# Altium PCB PCB.PcbDoc (part 4 of 10) (continued)
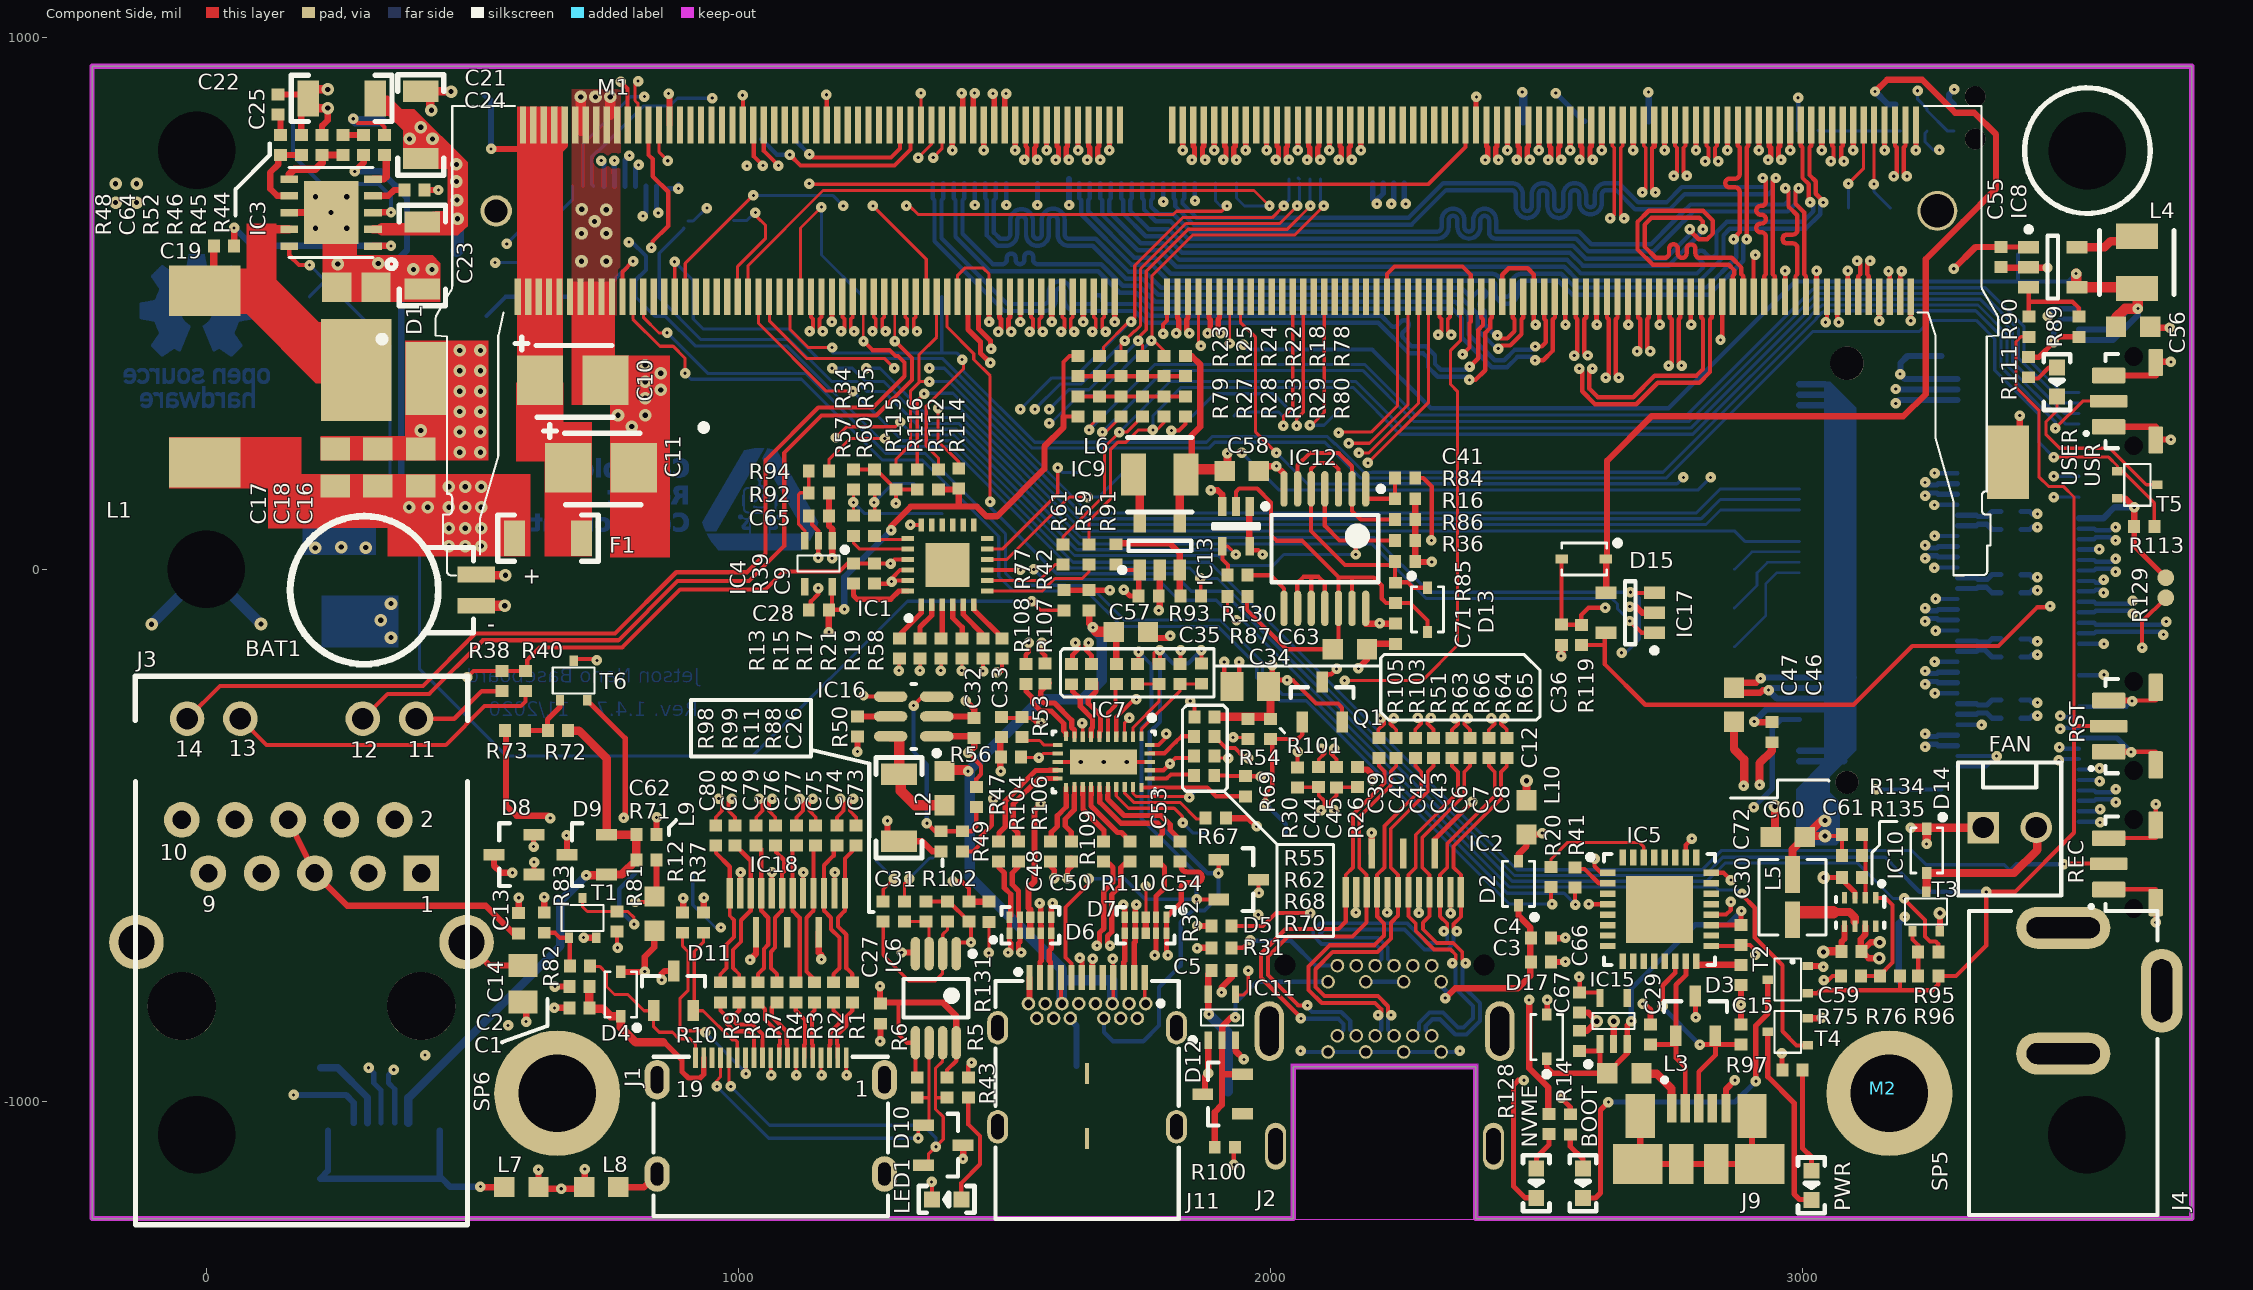
[diagram p0: Component Side view]
## Nets (pads, with @x,y where several pads share a name; then routed paths per layer and width w, separated by ;. In a path a pad name is that pad's centre, name@x,y a point inside that pad or via, vN(x,y) a via of type N, cw(c..) or ccw(c..) an arc to the next point about the centre after c; other vN are vias at no path point) (continued)
  Solder Side w8.66: J6.9@1444.3,725.63 1444.3,691.46 v1@1444.56,691.21 ; J6.12@1503.35,725.63 1503.35,689.03 v1@1503.78,688.61 ; v1@1562.18,690.06 1562.41,690.29 J6.15@1562.41,725.63 ; J6.27@1798.63,725.63 1798.63,691.46 v1(1798.89,691.21) ; v1@1857.68,691.46 J6.30@1857.68,725.63 ; J7.27@3519.48,37.29 v1@3557.16,37.29
  Solder Side w9.84: J10.10@868.81,715.6 v1(887.46,715.6) v1@887.46,723.18 ; J7.9@3519.48,-317.04 3591.31,-317.04 v1(3617.65,-343.38)
  Solder Side w11.81: v1(164.4,-987.71) 262.82,-987.71 277.57,-1002.46 J5.5@277.57,-1040.35 ; J6.18@1621.46,733.51 1621.46,684.92 v1(1621.58,684.81) ; v1(2710.33,897) 2711.33,896 TP44.1@2711.33,842.01 ; v1(3175.33,312) 3181.71,318.39 J8.71@3291.26,318.39 ; v1(3175.33,339) 3176.26,338.07 J8.73@3291.26,338.07 ; J8.SH2@3260.75,401.06 3197.39,401.06 3184.33,388 3184.33,368 v1(3183.33,367) 3192.57,357.76 J8.75@3291.26,357.76 ; TP30.5@3284.18,873.88 3275.31,882.75 3275.31,892.27 v1(3285.12,902.09) ; J7.30@3519.48,96.34 3565.67,96.34 3586.23,116.9 v1(3623.43,116.9)
  Solder Side w19.68: v2(-102.67,-103) -102.67,-102.67 SP7.1@0,0 102.67,-102.67 v2(103,-102.67) ; v1(276.33,847) 281.33,842 TP17.1@330.33,842 TP17.1@325.33,847
  other v1: 2699.44,-816.46 1765.33,-595 1493.21,-379.42 1958.04,-354.52 3364.87,-350.75 3336.71,-292.12 3248.33,-173.22 1811.68,-124.98 3250.1,-115.41 1288.21,-22.83 3248.09,2.7 3557.83,37.96 2302.59,54.41 3248.33,181.11 1923.97,424.53 2554.62,460.03 2672.73,460.03 2731.79,460.03 2790.84,460.03 1175.89,465 1471.49,465.04 1648.33,465 1707.38,465 3026.38,561.34 3085.44,561.34 2911.44,590.95 1444.56,684.81 1503.78,684.81 1562.18,684.81 1858.33,693 1402.27,787.84 1579.43,787.84 1697.54,787.84 1835.34,787.84 1953.45,787.84 2110.93,787.84 2504.63,787.84 2622.74,787.84 2740.85,787.84 2858.96,787.84 3036.13,787.84 3154.23,787.84 1008.08,891.08
  other v2: 561.02,-68.19 476.33,220 515.33,220 476.33,258.31 515.33,258.31 403.33,261 799.57,268.33 773.99,289.73 825.14,289.73 476.33,296.62 515.33,296.62 825.14,321.65 476.33,334.93 515.33,334.93 854.16,337.25 825.14,352.84 854.16,368.44 476.33,373.23 515.33,373.23 825.14,384.04 476.33,411.54 515.33,411.54 247.33,574 323.33,575 705.37,579.03 751.78,579.03 705.37,631.45 751.78,631.45 205.21,641.05 264.26,641.05 729.89,653.89 705.95,676.67 751.78,676.08 -170.25,689.45 -130.88,689.45 205.21,700.1 264.26,700.1 -170.25,724.88 -130.88,724.88 704.06,887.98 731.64,887.98
  other v3: 1643.45,-361.73 1686.76,-361.73 1730.07,-361.73
HDMI_PWR: C27.2 D4.A IC6.5 IC6.8 IC18.13 IC18.15 L9.2 R5.1 R6.1 | length 1197.1
  Component Side w7.87: 1301.33,-814 1301.33,-874 1316.99,-889.66 IC6.5@1332.94,-889.66 1332.94,-951.71 R6.1@1336.33,-955.1 ; R5.1@1392.33,-955.1 1392.33,-941 1409.71,-923.61 IC6.8@1409.71,-889.66
  Component Side w11.81: D4.A@779.33,-756.46 823.86,-756.46 v1(824.33,-756) 824.33,-728 842.33,-710 L9.2@842.33,-679.09 ; L9.2@844.33,-686.09 L9.2@851.33,-679.09 ; v1(1022.12,-733.79) 1033.22,-722.69 IC18.13@1033.22,-681.61 ; IC18.15@1151.33,-681.61 1151.33,-720.25 1156.33,-725.25 v1(1156.33,-733) ; v1(1266.33,-783) 1266.33,-815.1 C27.2@1267.33,-816.1 1269.43,-814 1301.33,-814 1384.33,-814 1409.71,-839.38 IC6.8@1409.71,-889.66
  Signal 1 w11.81: v1(824.33,-756) 847.33,-733 v1(1156.33,-733) 1216.33,-733 v1(1266.33,-783)
HDMI_SHIELD: J1.1 J1.4 J1.7 J1.10 J1.Shell L8.2 | length 214.7
  Component Side w5.91: J1.10@1061.09,-917.79 1061.09,-949.42 v1(1061.95,-950.28) ; J1.7@1108.34,-917.79 1108.34,-949.42 v1(1109.19,-950.28) ; J1.4@1155.58,-917.79 1155.58,-949.42 v1(1156.44,-950.28) ; J1.1@1202.82,-917.79 1202.82,-949.42 v1(1203.68,-950.28)
  Component Side w11.81: L8.2@774.42,-1161 822.81,-1161 J1.Shell@847.51,-1136.3
M2_ALERT: J8.44 M1.212 R114.1 TP2.1 | length 2297.3
  Component Side w5.91: M1.212@1057.82,512.29 1058.33,511.78 1058.33,467 1129.16,396.17 1275.16,396.17 v1(1293.33,378) ; v1(1375.33,303) 1375.33,241 1414.33,202 R114.1@1414.33,189.9
  Signal 1 w5.91: v1(1293.33,378) 1293.33,352 1342.33,303 v1(1375.33,303)
  Solder Side w5.91: v1(1375.33,303) 1416.2,303 1646.89,72.3 TP2.1@2872.08,72.3 2891.74,52.64 J8.44@2994.02,52.64
ML_C_LANE0_N: C40.2 IC2.3 J2.5 | length 815.2
  Component Side w7.09: IC2.3@2180.86,-606.81 2180.86,-573.75 2167.17,-560.06 2167.17,-465.51 2226.32,-406.36 2226.32,-379.94 2236.52,-369.75 C40.2@2236.52,-354.64
  Component Side w7.87: v1(2069.64,-819.47) 2052.47,-819.47 1995.33,-762.32 1995.33,-727.59 2033.07,-689.86 2154.29,-689.86 2180.86,-663.29 IC2.3@2180.86,-606.81
  Solder Side w7.87: v1(2069.64,-819.47) 2069.64,-823.34 2078.09,-831.8 2133.23,-831.8 2150.21,-848.78 2150.21,-865.17 J2.5@2161.49,-876.45
ML_C_LANE0_P: C39.2 IC2.1 J2.3 | length 791.1
  Component Side w7.09: IC2.1@2141.49,-606.81 2141.49,-573.75 2155.17,-560.06 2155.17,-460.53 2214.31,-401.39 2214.31,-379.94 2204.11,-369.75 C39.2@2204.11,-354.64
  Component Side w7.87: v1(2057.33,-844) 2057.33,-843.92 2058.03,-843.23 1982.33,-767.53 1982.33,-722.39 2028.78,-675.93 2127.68,-675.93 2141.49,-662.12 IC2.1@2141.49,-606.81
  Solder Side w7.87: v1(2057.33,-844) 2057.33,-843.92 2058.03,-843.23 2059.47,-844.67 2127.9,-844.67 2137.33,-854.11 2137.33,-865.17 J2.3@2126.05,-876.45
ML_C_LANE1_N: C43.2 IC2.6 J2.11 | length 799
  Component Side w7.09: IC2.6@2239.91,-606.81 2239.91,-573.75 2226.23,-560.06 2226.23,-487.31 2295.55,-418 2295.55,-380.53 2306.33,-369.75 C43.2@2306.33,-354.64
  Component Side w7.87: v1(2226.98,-837.5) 2221.07,-831.6 2221.07,-821 2201.99,-801.91 2101.77,-801.91 2084.71,-784.86 2084.71,-751.45 2117.08,-719.08 2201.29,-719.08 2226.66,-693.71 2226.66,-664.03 2239.91,-650.78 IC2.6@2239.91,-606.81
  Solder Side w7.87: v1(2226.98,-837.5) 2221.07,-843.41 2221.07,-865.17 J2.11@2232.35,-876.45
ML_C_LANE1_P: C42.2 IC2.4 J2.9 | length 799
  Component Side w7.09: IC2.4@2200.54,-606.81 2200.54,-573.75 2214.22,-560.06 2214.22,-482.34 2283.54,-413.02 2283.54,-380.53 2272.76,-369.75 C42.2@2272.76,-354.64
  Component Side w7.87: IC2.4@2200.54,-606.81 2200.54,-639.45 2200.74,-639.65 2200.74,-652.55 2213.79,-665.6 2213.79,-688.38 2195.96,-706.21 2111.75,-706.21 2076.38,-741.58 2071.84,-746.12 2071.84,-790.19 2096.44,-814.79 2196.65,-814.79 2208.2,-826.33 2208.2,-831.6 v1(2202.29,-837.5)
  Solder Side w7.87: J2.9@2196.92,-876.45 2208.2,-865.17 2208.2,-843.41 v1(2202.29,-837.5)
ML_C_LANE2_N: C7.2 IC2.9 J2.17 | length 761.9
  Component Side w7.09: v1(2366.82,-739.82) 2360.52,-733.52 2360.52,-719.25 2343.54,-702.27 2312.67,-702.27 2286.78,-676.38 2286.78,-663.88 2298.97,-651.69 IC2.9@2298.97,-606.81 2298.97,-573.75 2285.28,-560.06 2285.28,-503.64 2364.37,-424.56 2364.37,-380.77 2375.39,-369.75 C7.2@2375.39,-354.64
  Solder Side w7.09: 2360.95,-748.56 2360.95,-745.69 v1(2366.82,-739.82)
  Solder Side w7.87: J2.17@2303.22,-876.45 2291.94,-865.17 2291.94,-857.92 2304.37,-845.49 2318.82,-845.49 2347.33,-874 2368.54,-874 2393.8,-848.73 2393.8,-815.27 2360.95,-782.41 2360.95,-748.56
ML_C_LANE2_P: C6.2 IC2.7 J2.15 | length 763.1
  Component Side w7.09: C6.2@2341.33,-354.64 2341.33,-369.75 2352.36,-380.77 2352.36,-419.59 2273.28,-498.67 2273.28,-560.06 2259.6,-573.75 IC2.7@2259.6,-606.81 2259.6,-651.86 2273.28,-665.54 2273.28,-679.86 2307.69,-714.28 2338.57,-714.28 2348.51,-724.22 2348.51,-733.52 v1(2342.21,-739.82)
  Solder Side w7.09: v1(2342.21,-739.82) 2348.08,-745.69 2348.08,-748.56
  Solder Side w7.87: J2.15@2267.79,-876.45 2279.06,-865.17 2279.06,-852.58 2299.03,-832.61 2324.15,-832.61 2352.66,-861.12 2363.2,-861.12 2380.93,-843.4 2380.93,-820.6 2351.85,-791.52 2348.08,-787.75 2348.08,-748.56
ML_C_LANE3_N: C12.2 IC2.12 J2.12 | length 857.6
  Component Side w7.09: v1(2350.64,-680.07) 2344.34,-673.77 2344.34,-666.5 2358.02,-652.82 IC2.12@2358.02,-606.81 2358.02,-573.75 2344.34,-560.06 2344.34,-520.17 2433.52,-430.98 2433.52,-380.65 2444.43,-369.75 C12.2@2444.43,-354.64
  Solder Side w7.09: J2.12@2232.35,-744.56 2220.64,-732.85 2220.64,-710.84 2205.4,-695.59 2201.88,-692.08 2101.2,-692.08 2093.28,-684.16 2100.6,-676.84 2252.05,-676.84 2289.49,-714.28 2332.93,-714.28 2344.34,-702.87 2344.34,-686.37 v1(2350.64,-680.07)
ML_C_LANE3_P: C8.2 IC2.10 J2.10 | length 859
  Component Side w7.09: v1(2326.03,-680.07) 2332.33,-673.77 2332.33,-665.75 2318.65,-652.07 IC2.10@2318.65,-606.81 2318.65,-573.75 2332.33,-560.06 2332.33,-515.19 2421.52,-426.01 2421.52,-380.65 2410.61,-369.75 C8.2@2410.61,-354.64
  Solder Side w7.09: J2.10@2196.92,-744.56 2208.63,-732.85 2208.63,-715.81 2196.91,-704.08 2096.23,-704.08 2082.44,-690.3 2080.72,-688.58 2080.72,-678.07 2093.96,-664.83 2257.02,-664.83 2294.46,-702.27 2327.95,-702.27 2332.33,-697.89 2332.33,-686.37 v1(2326.03,-680.07)
NetBOOT_A: BOOT.A R14.1 | length 74.4
  Component Side w9.84: R14.1@2563.61,-1061.73 2563.61,-1084.57 2587.33,-1108.28 2587.33,-1125.92 BOOT.A@2587.61,-1126.2
NetBOOT_K: BOOT.K T2.3 | length 707.3
  Component Side w9.84: BOOT.K@2587.61,-1181.2 2611.12,-1181.2 2620.33,-1172 2620.33,-1016 v1(2635.33,-1001) ; v1(2912.33,-962) 2912.33,-857 2934.93,-834.4 T2.3@2934.93,-771
  Solder Side w9.84: v1(2635.33,-1001) 2873.33,-1001 v1(2912.33,-962)
NetC1_2: C1.2 C2.2 D4.C J1.18 | length 369.3
  Component Side w9.84: 859.33,-889 861.33,-889 894.33,-922 894.33,-944 906.33,-956 928.33,-956 935.11,-949.22 J1.18@935.11,-917.79
  Component Side w15.75: C2.2@720.23,-784 C1.2@720.23,-824 722.23,-826 746.33,-826 759.86,-839.53 D4.C@779.33,-839.53 779.33,-861 807.33,-889 859.33,-889
NetC3_2: C3.2 C4.2 D2.C J2.20 | length 354.3
  Component Side w11.81: v1(2328.63,-805.74) 2347.37,-787 2465.33,-787 2488.33,-764 2488.33,-673 2466.33,-651 D2.C@2466.33,-631.53
  Solder Side w8.66: J2.20@2320.94,-775.08 2320.94,-783.2 2330.89,-793.16 2330.89,-803.48 v1(2328.63,-805.74)
NetC13_1: C13.1 J3.5 J3.6 | length 541.8
  Component Side w11.81: J3.6@154.14,-470.79 J3.5@204.14,-570.79 265.35,-632 525.33,-632 577.23,-683.9 C13.1@587.33,-683.9
NetC19_1: C19.1 IC3.1 | length 375.6
  Component Side w11.81: C19.1@52.59,608.43 v1(52.59,641.85) ; IC3.1@313.9,608.01 v1(347.33,608.01)
  Solder Side w11.81: v1(52.59,641.85) 86.43,608.01 v1(347.33,608.01)
NetC19_2: C19.2 D1.C IC3.9 L1.1 | length 162.3
  Component Side w13.78: L1.1@-2.76,523.52 14.43,540.71 C19.2@14.43,608
  Component Side w15.75: 101.33,624 101.33,638 104.33,641 106.25,639.08 IC3.9@156,639.08
NetC24_1: C24.1 IC3.4 | length 63.5
  Component Side w11.81: IC3.4@313.48,702.07 342.4,702.07 353.33,713 C24.1@372.43,713
NetC25_2: C25.2 R48.1 | length 40.1
  Component Side w11.81: C25.2@135.08,854.55 139.71,849.93 R48.1@139.71,816.4
NetC30_2: C30.2 IC5.16 | length 90.8
  Component Side w11.81: IC5.16@2800.23,-736.44 2800.23,-743.1 C30.2@2884.33,-743.1
NetC31_2: C31.2 IC16.6 L2.1 | length 212.5
  Component Side w19.68: IC16.6@1286.33,-313.81 1302.09,-313.81 C31.2@1302.09,-384.9 1305.33,-388.13 1305.33,-416 1332.42,-443.09 L2.1@1387.33,-443.09
NetC61_1: C61.1 IC10.2 R134.2 R135.2 | length 121.9
  Component Side w7.87: C61.1@3112.23,-498 3118.17,-503.94 IC10.2@3118.17,-617.42
NetC62_2: C62.2 D9.1 D9.2 J5.1 R71.1 R72.1 | length 1051.3
  Component Side w15.75: R72.1@680.23,-303 700.33,-303 752.73,-355.4 D9.2@752.73,-498.6 807.83,-498.6 C62.2@808.43,-498 R71.1@808.43,-546 781.03,-573.4 D9.1@752.73,-573.4 751.13,-575 v1(714.33,-575)
  Solder Side w15.75: J5.1@379.93,-1040.35 379.93,-993.12 665.58,-707.46 665.58,-623.75 v1(714.33,-575)
NetC64_2: C64.2 IC3.7 R48.2 | length 151.7
  Component Side w11.81: R48.2@139.71,778.61 135.33,774.23 135.33,761 120.33,746 120.33,715 133.26,702.07 IC3.7@156,702.07 ; R48.2@139.71,778.61 C64.2@178.77,778.64
NetD14_A: D14.A FAN.2 T3.3 | length 317.1
  Component Side w15.75: T3.3@3232.33,-605.6 3233.33,-604.6 D14.A@3233.33,-570.53 3397.79,-570.53 3441.33,-527 3441.33,-487.12 FAN.2@3439.4,-485.2 ; FAN.2@3438.81,-487.71 FAN.2@3438.81,-474.72
NetIC1_1: IC1.1 R13.2 | length 80.9
  Component Side w9.84: R13.2@1302.57,-129.95 1302.57,-123.29 1343.91,-81.95 IC1.1@1343.91,-66.17
NetIC1_2: IC1.2 R15.2 | length 73
  Component Side w9.84: R15.2@1341.94,-129.95 1341.69,-129.69 1341.69,-108.47 1363.6,-86.56 IC1.2@1363.6,-66.17
NetIC1_3: IC1.3 R17.2 | length 64.6
  Component Side w9.84: R17.2@1381.31,-129.95 1383.28,-127.98 IC1.3@1383.28,-66.17
NetIC1_4: IC1.4 R21.2 | length 71.1
  Component Side w9.84: IC1.4@1402.97,-66.17 1402.97,-91.04 1420.68,-108.76 R21.2@1420.68,-129.95
NetIC1_5: IC1.5 R19.2 | length 79.3
  Component Side w9.84: IC1.5@1422.65,-66.17 1422.65,-84.97 1460.05,-122.38 R19.2@1460.05,-129.95
NetIC1_6: IC1.6 R58.2 | length 85.8
  Component Side w9.84: IC1.6@1442.34,-66.17 1442.34,-74.89 1495.49,-128.04 R58.2@1495.49,-129.95
NetIC1_7: IC1.7 R59.2 | length 219.7
  Component Side w5.91: IC1.7@1467.93,-40.58 1571.33,-40.58 1594.91,-17 1646.33,-17 1659.33,-4 R59.2@1659.33,9.1
NetIC1_8: IC1.8 R61.2 | length 154.8
  Component Side w5.91: IC1.8@1467.93,-20.89 1565.43,-20.89 1595.43,9.1 R61.2@1610.33,9.1
NetIC1_10: IC1.10 TP11.1 | length 323.3
  Component Side w5.91: IC1.10@1467.93,18.48 1504.8,18.48 1622.33,136 v1(1656.33,136)
  Solder Side w5.91: v1(1656.33,136) 1677.25,136 TP11.1@1723.45,182.21
NetIC1_11: IC1.11 TP12.1 | length 271.7
  Component Side w5.91: IC1.11@1467.93,38.16 1496.17,38.16 1600.33,142.32 v1(1600.33,191)
  Solder Side w5.91: v1(1600.33,191) 1609.14,182.19 TP12.1@1644.17,182.19
NetIC1_19: IC1.19 R60.1 | length 65.8
  Component Side w5.91: R60.1@1256.33,63.1 1263.58,55.85 1316.32,55.85 IC1.19@1318.32,57.85
NetIC1_20: IC1.20 R57.1 | length 120
  Component Side w5.91: R57.1@1216.33,63.1 1216.33,50 1228.17,38.16 IC1.20@1318.32,38.16
NetIC1_24: IC1.24 R39.1 | length 133.4
  Component Side w9.84: R39.1@1216.33,-26.9 1216.33,-49 1223.33,-56 1286.33,-56 1301.75,-40.58 IC1.24@1318.32,-40.58
NetIC3_3: IC3.3 TP5.1 | length 344.4
  Component Side w11.81: IC3.3@313.48,670.58 313.9,671 v1(347.33,671)
  Solder Side w7.87: TP5.1@163.02,842 163.02,777.5 216.51,724 324.17,724 347.33,700.84 v1(347.33,671)
NetIC3_5: IC3.5 R44.1 | length 68.7
  Component Side w13.78: IC3.5@313.48,733.57 333.9,733.57 338.33,738 338.33,775.32 R44.1@335.01,778.64
NetIC3_6: IC3.6 R46.1 R52.2 | length 133.2
  Component Side w13.78: IC3.6@156,733.57 156,742.67 165.33,752 205.33,752 217.83,764.5 R52.2@217.83,778.64 R46.1@256.89,778.64
NetIC4_3: IC4.3 R92.2 R94.1 | length 153.2
  Component Side w5.91: IC4.3@1125.15,54 1125.15,72.72 1113.34,84.54 1113.34,141.01 1116.33,144 R92.2@1132.43,144 R94.1@1132.43,185
NetIC5_2: IC5.2 R41.1 | length 73.9
  Component Side w7.87: R41.1@2572.33,-560.1 2575.23,-563 2590.33,-563 2617.12,-589.79 IC5.2@2633.89,-589.79
NetIC5_30: IC5.30 R20.1 | length 225.7
  Component Side w5.91: R20.1@2527.33,-559.1 2527.33,-544.53 2558.86,-513 2693.33,-513 2701.8,-521.47 IC5.30@2701.8,-541.56
NetIC6_2: IC6.2 R88.2 R98.1 | length 301.5
  Component Side w5.91: R98.1@1272.33,-661.9 1272.33,-725 1320.33,-773 1370.33,-773 1384.12,-759.2 IC6.2@1384.12,-722.34 1384.33,-722.13 1384.33,-686 1393.08,-677.25 R88.2@1393.08,-661.9
NetIC6_3: IC6.3 R11.2 R99.1 | length 103.1
  Component Side w5.91: R99.1@1312.58,-661.9 R11.2@1352.83,-661.9 1358.53,-667.6 IC6.3@1358.53,-722.34
NetIC7_3: IC7.3 R54.2 | length 281.7
  Component Side w5.91: IC7.3@1726.13,-314.49 1726.13,-287.87 v1(1734.97,-279.04) ; v1(1929.98,-315.68) 1960.74,-315.68 R54.2@1961.27,-315.15
  Signal 1 w5.91: v1(1734.97,-279.04) 1736,-278 1807.33,-278 1845.01,-315.68 v1(1929.98,-315.68)
NetIC7_4: IC7.4 R55.2 | length 232.8
  Component Side w7.87: IC7.4@1710.38,-314.49 1710.38,-277.17 1743.32,-244.23 v1(1748.23,-244.23) ; v1(1849.44,-247.56) 1857.36,-255.48 R55.2@1857.36,-282.59
  Signal 1 w7.87: v1(1748.23,-244.23) 1839.5,-244.23 v1@1846.13,-250.86 ; v1@1846.76,-251.49 1846.76,-250.23 v1(1849.44,-247.56)
NetIC7_5: IC7.5 R51.1 | length 105.7
  Component Side w7.87: IC7.5@1694.64,-314.49 1694.64,-269.53 1708.91,-255.25 1708.91,-216.74 R51.1@1710.38,-215.27
NetIC7_11: IC7.11 R53.1 | length 68.7
  Component Side w5.91: R53.1@1536.37,-318.42 1539.6,-321.66 1566.29,-321.66 1574.87,-330.23 IC7.11@1600.15,-330.23
NetIC7_29: IC7.29 R62.2 | length 96.9
  Component Side w7.87: IC7.29@1773.38,-345.98 1773.78,-345.58 1801.2,-345.58 1822.03,-324.74 1822.03,-324.67 1832.99,-313.7 R62.2@1856.84,-313.7
NetIC8_3: IC8.3 R89.1 R90.1 | length 170.9
  Component Side w7.87: IC8.3@3425.05,530.6 3425.33,530.32 3425.33,503 ; R90.1@3425.33,474.9 3425.33,503 ; R89.1@3519.33,474.9 3519.33,491 3507.33,503 3425.33,503
NetIC8_6: IC8.6 L4.1 | length 121.3
  Component Side w15.75: IC8.6@3515.6,605.4 3567.73,605.4 3579.33,617 3619.12,617 L4.1@3628.33,626.21
NetIC9_3: IC9.3 R91.1 R93.1 | length 209.7
  Component Side w11.81: R91.1@1709.52,47.3 1711.29,49.07 1810.9,49.07 1829.6,30.37 IC9.3@1829.6,-1.12 1829.6,-48.16 R93.1@1831.43,-50
NetIC9_6: IC9.6 L6.1 | length 92.7
  Component Side w15.75: L6.1@1744.95,178.01 1754.79,168.17 IC9.6@1754.79,89.43
NetIC10_1: IC10.1 R75.1 R76.1 | length 214.6
  Component Side w7.87: R75.1@3110.23,-764 3144.33,-764 3169.33,-739 3169.33,-631 3155.75,-617.42 IC10.1@3137.86,-617.42
NetIC10_6: IC10.6 L5.1 | length 143.7
  Component Side w15.75: 3057.33,-644 3088.33,-644 3098.49,-654.16 IC10.6@3098.49,-662
  Component Side w23.62: L5.1@2981.33,-658.5 2981.33,-644 3057.33,-644
NetIC12_2: IC12.2 IC12.6 R16.2 | length 338.7
  Component Side w7.87: IC12.6@2051.15,151.21 2051.15,195.82 2074.33,219 2128.33,219 2153.51,193.82 IC12.2@2153.51,151.21 2153.51,109.82 2169.83,93.5 R16.2@2234.43,93.5
NetIC12_8: IC12.8 R130.2 | length 115.8
  Component Side w7.87: R130.2@1957.23,-11 2000.33,-11 2025.56,-36.23 IC12.8@2025.56,-73.2
NetIC12_9: IC12.9 IC12.10 IC12.11 | length 216.1
  Component Side w7.87: IC12.9@2051.15,-73.2 2050.33,-72.38 2050.33,-26 2062.33,-14 2076.33,-14 ; IC12.10@2076.74,-73.2 2076.74,-14.41 2076.33,-14 ; IC12.11@2102.33,-73.2 2102.33,-26 2090.33,-14 2076.33,-14
NetIC16_3: IC16.3 R47.1 R49.2 R102.2 | length 421.1
  Component Side w7.87: v1(1329.33,-256) 1346.32,-239.01 IC16.3@1372.95,-239.01 ; v1(1354.33,-477) 1369.43,-492.1 R102.2@1381.33,-492.1 R49.2@1421.33,-492.1 1438.23,-492.1 1447.33,-483 R47.1@1447.33,-446.9
  Solder Side w7.87: v1(1329.33,-256) 1329.33,-342.05 1354.33,-367.05 v1(1354.33,-477)
NetIC16_4: IC16.4 LED1.K | length 1071.1
  Component Side w7.87: v1(1235.33,-237) 1237.34,-239.01 IC16.4@1286.33,-239.01 IC16.4@1305.08,-239.01 ; v1(1363.33,-1151) 1363.33,-1156.41 1364.16,-1157.24 LED1.K@1364.16,-1184.1
  Signal 1 w7.87: v1(1235.33,-237) 1249.33,-251 1249.33,-715 1315.33,-781 1315.33,-1103 v1(1363.33,-1151)
NetIC16_5: IC16.5 R50.2 | length 62.4
  Component Side w11.81: R50.2@1223.98,-276.47 IC16.5@1286.33,-276.41 IC16.5@1286.33,-276.41
NetJ1_13: J1.13 R12.2 | length 380.6
  Component Side w5.91: R12.2@895.33,-682.9 895.33,-708 905.33,-718 905.33,-792 890.33,-807 890.33,-862 895.33,-867 935.33,-867 v1(938.33,-870) ; J1.13@1013.85,-917.79 1014.33,-918.27 v1(1014.33,-947.95)
  Solder Side w5.91: v1(938.33,-870) 1014.33,-946 v1(1014.33,-947.95)
NetJ3_11: J3.11 R38.1 | length 183.3
  Component Side w7.87: J3.11@394.45,-280.63 466.24,-280.63 517.98,-228.9 R38.1@556.33,-228.9
NetJ3_13: J3.13 R40.1 | length 609.7
  Component Side w7.87: J3.13@64.14,-280.63 113.51,-330 450.33,-330 523.33,-257 591.33,-257 600.33,-248 R40.1@600.33,-228.9
NetJ5_4: J5.4 TP22.1 | length 158.5
  Solder Side w13.78: TP22.1@215.58,-936.53 247.08,-936.53 303.16,-992.61 J5.4@303.16,-1040.35
NetJ8_10: J8.10 NVME.K | length 1179.3
  Component Side w9.84: v1(2476.6,-960.16) 2465.97,-960.16 2456.92,-969.21 2456.92,-1159.37 2478.57,-1181.02 2499.48,-1181.02 NVME.K@2499.66,-1181.2 NVME.K@2500.46,-1182
  Signal 1 w9.84: v1(2476.6,-960.16) 2539.33,-897.43 2539.33,-865 2908.33,-496 v1(2908.33,-447)
  Solder Side w9.84: v1(2908.33,-447) 2943.33,-412 2943.33,-298 2959.32,-282.01 J8.10@2994.02,-282.01
NetJ8_38: J8.38 TP15.1 | length 214.3
  Solder Side w4.92: TP15.1@2872.24,-145.41 2931.19,-86.45 2931.19,-26.82 2951.6,-6.42 J8.38@2994.02,-6.42
NetJ8_40: J8.40 TP20.1 | length 171.4
  Solder Side w4.92: TP20.1@2872.09,-72.58 2914.5,-30.17 2914.5,-6.49 2934.27,13.27 J8.40@2994.02,13.27
NetJ8_42: J8.42 TP7.1 | length 135.5
  Solder Side w4.92: TP7.1@2872.09,0.25 2904.8,32.95 J8.42@2994.02,32.95
NetJ9_1: J9.1 L3.1 | length 105.6
  Component Side w15.75: L3.1@2697.42,-947 2698.42,-948 2726.33,-948 2753.94,-975.61 J9.1@2753.94,-1012.79
NetJ11_B8: J11.B8 TP19.1 | length 91.5
  Solder Side w11.81: J11.B8@1623.77,-845.98 1635.58,-857.79 TP19.1@1635.58,-932.6
NetLED1_A: LED1.A R43.1 | length 214.9
  Component Side w7.87: LED1.A@1419.16,-1184.1 1419.16,-1153.16 1454.33,-1118 1454.33,-1065 1432.33,-1043 R43.1@1432.33,-992.9
NetM1_9: M1.9 TP3.1 | length 169.1
  Component Side w5.91: v1(3134.33,724) 3134.6,724.27 M1.9@3134.6,835.12
  Solder Side w5.91: v1(3134.33,724) 3134.33,710.02 TP3.1@3165.33,679.02
NetM1_11: M1.11 TP4.1 | length 168
  Component Side w5.91: v1(3086.33,725) 3114.91,753.59 M1.11@3114.91,835.12
  Solder Side w5.91: TP4.1@3086.33,679 v1(3086.33,725)
NetM1_118: M1.118 TP9.1 | length 495
  Component Side w5.91: v1(2049.33,270) 2049.33,283 2061.76,295.43 M1.118@2061.76,512.29
  Solder Side w5.91: TP9.1@1853.38,287.99 1895.38,330 2005.33,330 2049.33,286 v1(2049.33,270)
NetM1_120: M1.120 TP6.1 | length 366.7
  Component Side w5.91: v1(2024.33,270) 2024.33,287 2042.08,304.75 M1.120@2042.08,512.29
  Solder Side w5.91: TP6.1@1931.33,288 1939.33,296 2015.33,296 2024.33,287 v1(2024.33,270)
NetM1_206: M1.206 TP13.1 | length 387.7
  Component Side w5.91: M1.206@1115.9,513.27 M1.206@1116.88,512.29 1116.88,641.55 v1(1156.33,681)
  Solder Side w5.91: v1(1156.33,681) 1156.33,590.95 TP13.1@1234.99,512.29
NetM1_218: M1.218 TP14.1 | length 232.9
  Component Side w5.91: M1.218@998.77,512.29 998.77,569.44 1051.33,622 1051.33,646.36 1035.68,662.01 1035.68,666.95 v1(1032.13,670.5)
  Solder Side w5.91: TP14.1@991.4,655.69 1016.23,655.69 v1@1030.43,669.89
NetNVME_A: NVME.A R128.1 | length 74.5
  Component Side w9.84: NVME.A@2499.33,-1125.87 NVME.A@2499.66,-1126.2 ; NVME.A@2500.13,-1122.77 2500.13,-1105.13 2523.85,-1081.42 R128.1@2523.85,-1058.58
NetPWR_A: PWR.A R97.1 | length 196
  Component Side w9.84: R97.1@3000.23,-941 3000.23,-1087.9 3016.71,-1104.38 PWR.A@3016.71,-1130.17
NetPWR_K: PWR.K T4.3 | length 362.5
  Component Side w9.84: T4.3@2934.93,-869 2934.93,-953.6 2984.33,-1003 2984.33,-1174 2994.33,-1184 3015.53,-1184 PWR.K@3016.71,-1185.17
NetQ1_3: Q1.3 R49.1 | length 993.2
  Component Side w7.87: R49.1@1421.33,-529.9 1441.43,-529.9 1455.33,-516 1455.33,-502 1476.33,-481 1476.33,-436.93 v1@1481.18,-432.08 ; Q1.3@2097.33,-211.6 2097.33,-209 2109.33,-197 2114.33,-197 v1(2124.33,-187)
  Signal 2 w7.87: 1473.33,-421.58 1473.33,-320 1573.33,-220 1929.33,-220 1944.33,-235 2076.33,-235 v1(2124.33,-187)
  other v1: 1479.23,-431.1
NetR18_1: R18.1 R22.1 R23.1 R24.1 R25.1 R78.1 | length 202
  Component Side w7.87: R23.1@1638.33,363.1 R25.1@1678.73,363.1 R24.1@1719.13,363.1 R22.1@1759.53,363.1 R18.1@1799.93,363.1 R78.1@1840.33,363.1
NetR27_1: R27.1 R28.1 R29.1 R33.1 R79.1 R80.1 | length 202
  Component Side w7.87: R79.1@1638.33,324.9 R27.1@1678.73,324.9 1719.13,324.9 1759.53,324.9 R29.1@1799.91,324.9 R80.1@1840.33,324.9
NetR45_1: R45.1 R46.2 | length 39.1
  Component Side w11.81: R46.2@256.89,816.44 R45.1@295.95,816.44
NetR72_2: R72.2 R73.1 T6.1 | length 110.4
  Component Side w9.84: R73.1@599.23,-303 R72.2@642.43,-303 641.33,-301.9 641.33,-282 665,-258.32 T6.1@665,-246.1
NetR82_2: R82.2 R83.1 T1.1 | length 103.6
  Component Side w7.87: R83.1@635.33,-682.9 635.43,-683 655.33,-683 664.73,-692.4 T1.1@681.74,-692.4 683.43,-694.09 R82.2@683.43,-745
NetR95_1: R95.1 R96.1 T3.1 | length 88
  Component Side w7.87: T3.1@3206.74,-680.4 3206.74,-695.41 3217.43,-706.1 R95.1@3217.43,-719 R96.1@3217.43,-764
NetR111_1: R111.1 USER.A | length 63.3
  Component Side w7.87: R111.1@3424.33,361.1 3426.42,359.02 3442.33,359.02 3462.81,379.5 USER.A@3478.33,379.5
NetR132_2: R132.2 TP30.2 | length 154.6
  Solder Side w5.91: R132.2@3029.68,824.82 3030.82,823.68 TP30.2@3183.79,823.68
NetT5_3: T5.3 USER.K | length 328.1
  Component Side w5.91: USER.K@3478.33,324.5 3478.33,298 3457.33,277 3457.33,253.72 3483.49,227.56 3577.81,227.56 3646.37,159 T5.3@3666.73,159
OTG_USB_D_N: D8.1 J5.2 M1.109 | length 3462.8
  Component Side w9.06: D8.1@615.73,-573.4 616.33,-572.8 v1(616.33,-550)
  Component Side w9.84: M1.109@2150.34,835.12 2150.34,795.25 2147.88,792.79 2147.88,774.58 v1(2152.8,769.66)
  Signal 2 w6.3: v1(352.37,-940.47) 352.37,-925.01 295.87,-868.51 295.87,-784.11 449.73,-630.25 465.08,-630.25 545.33,-550 610.68,-550 619.46,-541.22 819.98,-541.22 878.65,-482.54 878.65,-127.05 961.63,-44.06 961.63,505.5 1107.21,651.07 2121.88,651.07 2146.11,675.31 2146.11,762.97 v1(2152.8,769.66)
  Solder Side w9.84: v1(352.37,-940.47) 342.53,-950.31 342.53,-965.08 354.34,-976.89 J5.2@354.34,-1040.35
OTG_USB_D_P: D8.2 J5.3 M1.111 | length 3463.4
  Component Side w9.06: v1(615.33,-521) 615.33,-499 D8.2@615.73,-498.6
  Component Side w9.84: v1(2128.2,769.66) 2133.12,774.58 2133.12,792.79 2130.66,795.25 M1.111@2130.66,835.12
  Signal 2 w6.3: v1@309.65,-932 312.19,-929.46 312.19,-900.7 287.94,-876.45 284.65,-873.16 284.65,-779.46 287.94,-776.18 445.09,-619.03 460.3,-619.03 561.33,-518 612.33,-518 v1(615.33,-521) 624.33,-530 815.33,-530 867.43,-477.9 867.43,-122.4 950.41,-39.42 950.41,510.15 1102.56,662.29 2117.23,662.29 2134.89,679.95 2134.89,762.97 v1(2128.2,769.66)
  Signal 2 w8.66: v1(305.12,-936.53) v1@309.65,-932
  Solder Side w9.84: v1(305.12,-936.53) 314.97,-946.38 314.97,-965.08 328.75,-978.86 J5.3@328.75,-1040.35
OTG_USB_VBUS: M1.87 T6.3 | length 2444.3
  Component Side w7.09: T6.3@690.73,-168.6 731.98,-168.6 v1(734.4,-171.02) ; v1(1133.33,725) 1134.33,724 2297.33,724 2366.88,793.55 M1.87@2366.88,835.12
  Signal 2 w7.09: v1(734.4,-171.02) 788.27,-171.02 788.66,-171.42 927.16,-32.93 927.16,521.75 1130.41,725 v1(1133.33,725)